# Altium PCB ui_brd_raton_v0.PcbDoc (part 1 of 4) (continued)
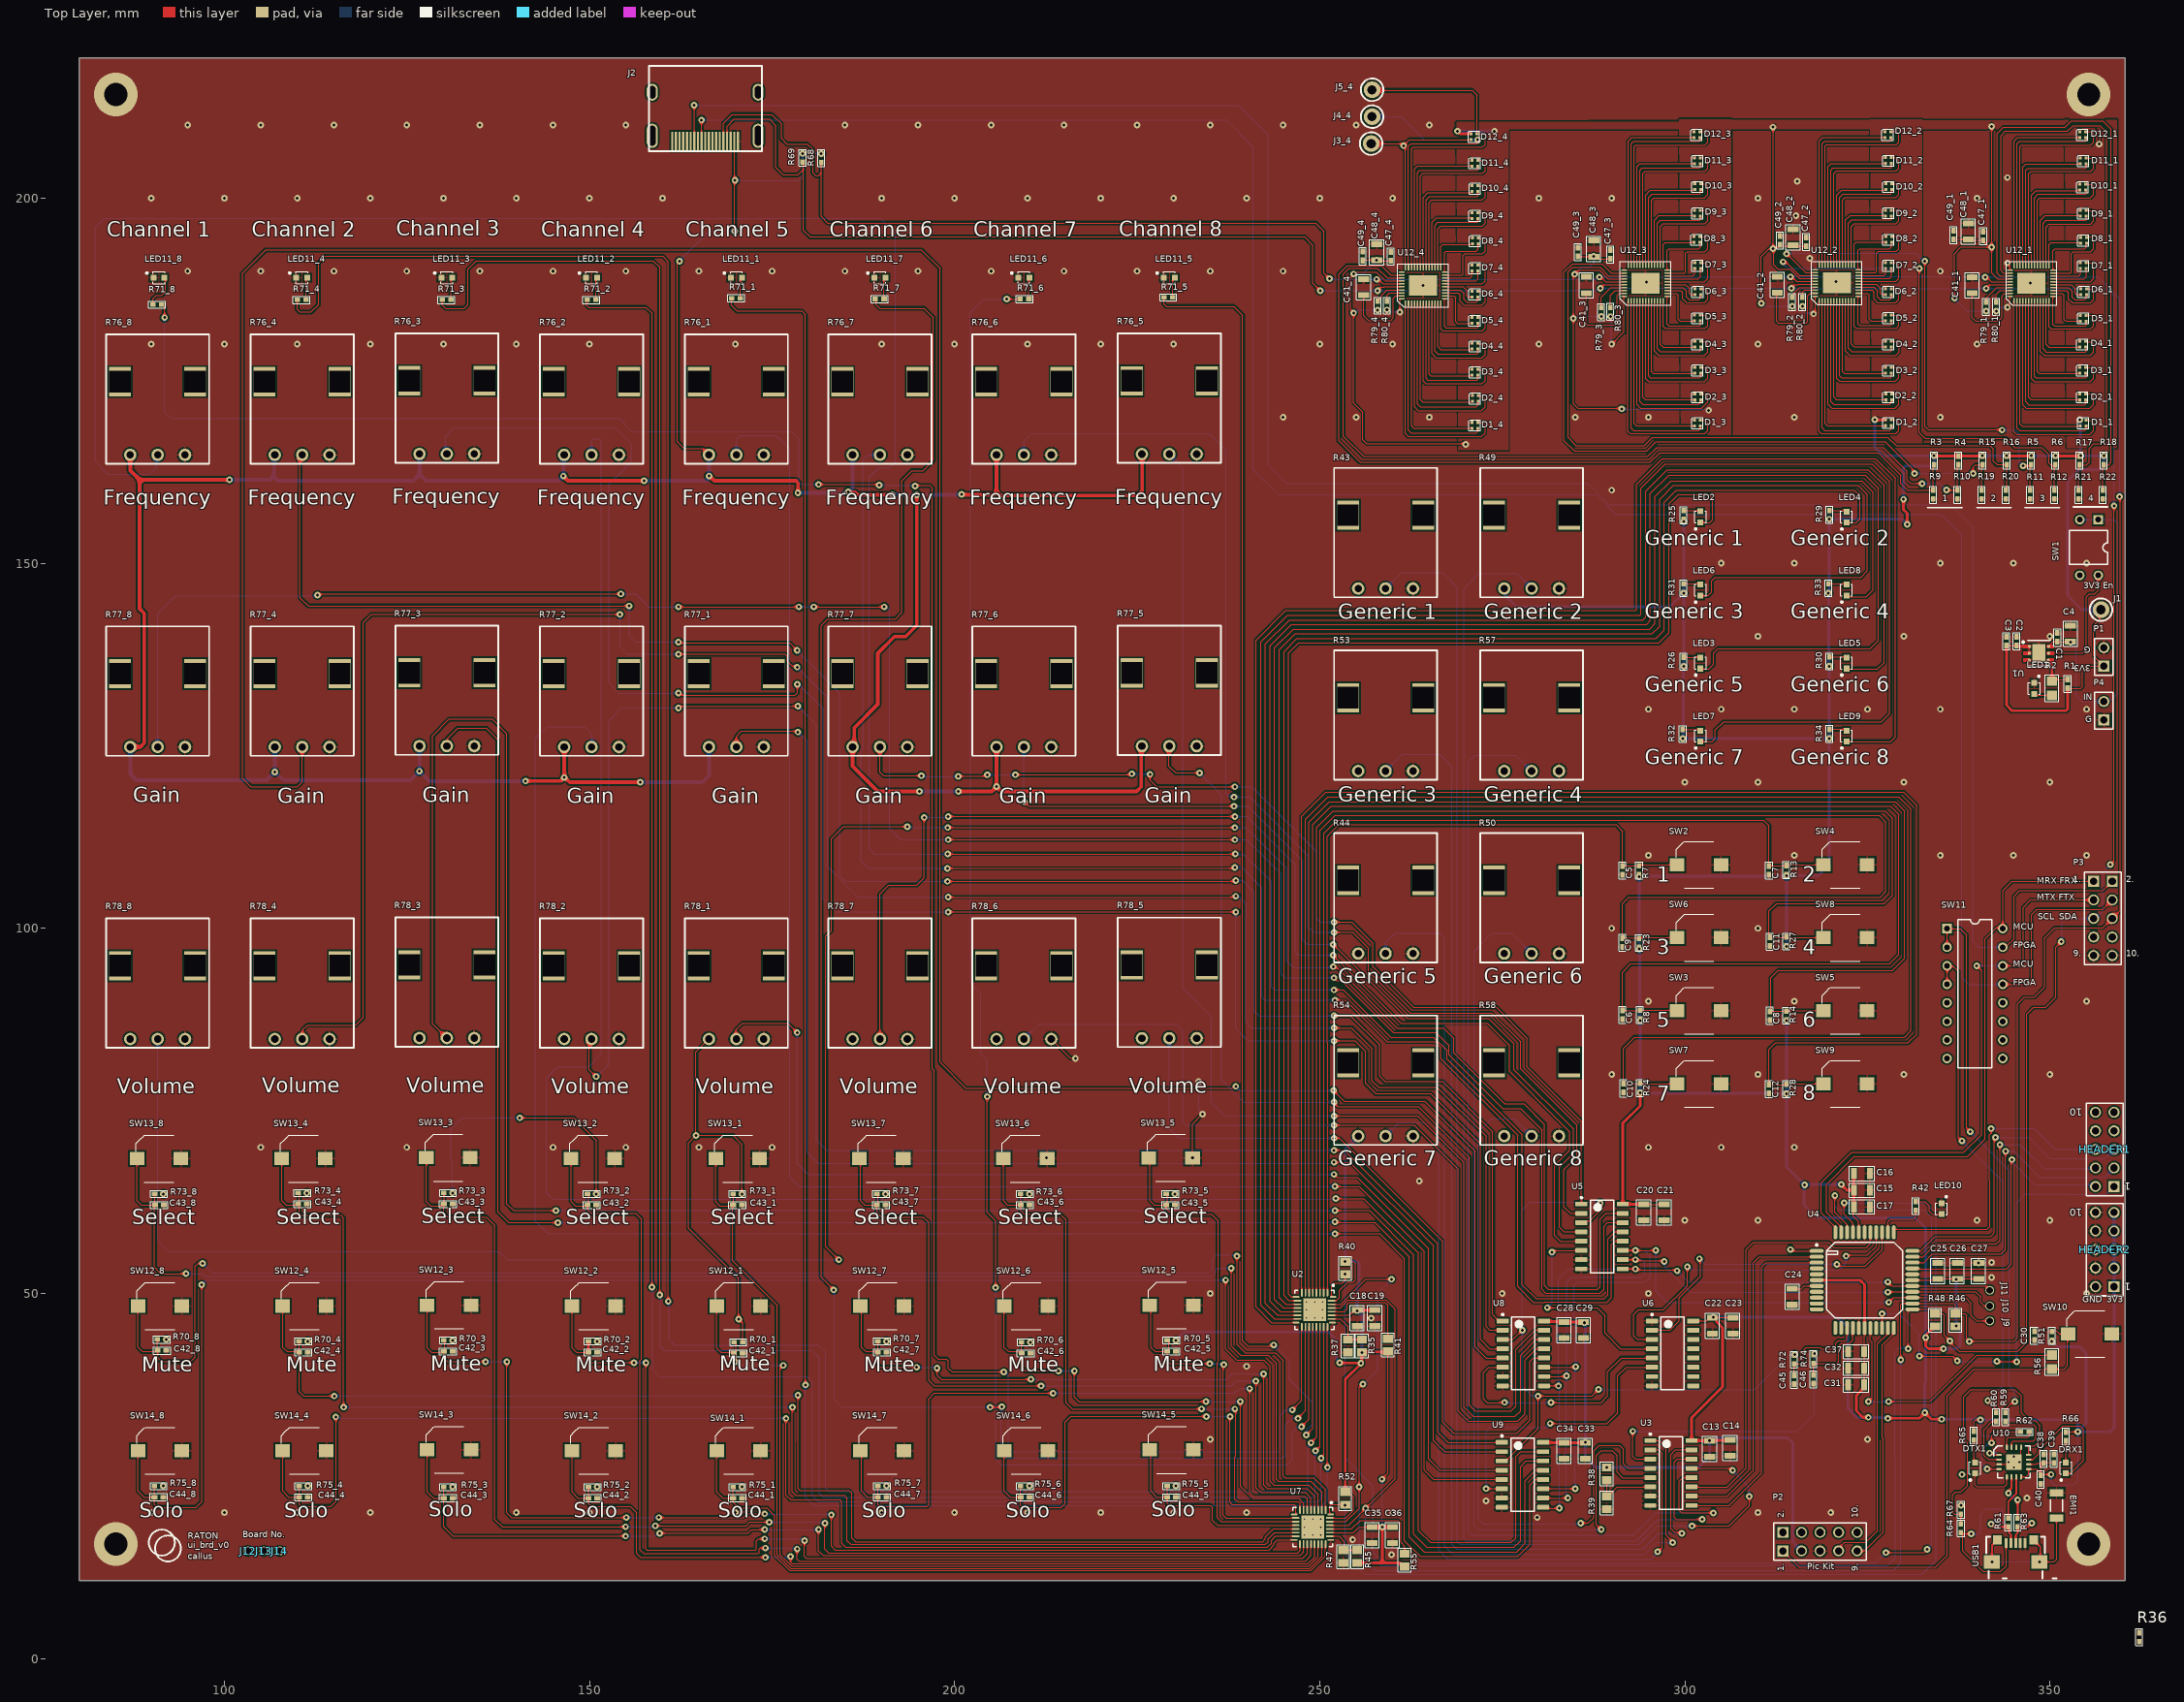
[diagram p0: Top Layer view]
## Components (designator, comment, footprint, x,y, rotation, side; value= is the part's Value field where it differs from the comment) (continued)
D7_3 "IN-B101FCH" SML-LXR0804RGBC-TR 301.752,190.754 r90 top (schematic designator D7)
D7_4 "IN-B101FCH" SML-LXR0804RGBC-TR 271.253,190.41 r90 top (schematic designator D7)
D8_1 "IN-B101FCH" SML-LXR0804RGBC-TR 354.584,194.183 r90 top (schematic designator D8)
D8_2 "IN-B101FCH" SML-LXR0804RGBC-TR 327.914,194.31 r90 top (schematic designator D8)
D8_3 "IN-B101FCH" SML-LXR0804RGBC-TR 301.625,194.31 r90 top (schematic designator D8)
D8_4 "IN-B101FCH" SML-LXR0804RGBC-TR 271.291,194.139 r90 top (schematic designator D8)
D9_1 "IN-B101FCH" SML-LXR0804RGBC-TR 354.565,197.889 r90 top (schematic designator D9)
D9_2 "IN-B101FCH" SML-LXR0804RGBC-TR 327.895,197.927 r90 top (schematic designator D9)
D9_3 "IN-B101FCH" SML-LXR0804RGBC-TR 301.727,197.908 r90 top (schematic designator D9)
D9_4 "IN-B101FCH" SML-LXR0804RGBC-TR 271.253,197.591 r90 top (schematic designator D9)
D10_1 "IN-B101FCH" SML-LXR0804RGBC-TR 354.476,201.505 r90 top (schematic designator D10)
D10_2 "IN-B101FCH" SML-LXR0804RGBC-TR 327.914,201.549 r90 top (schematic designator D10)
D10_3 "IN-B101FCH" SML-LXR0804RGBC-TR 301.752,201.549 r90 top (schematic designator D10)
D10_4 "IN-B101FCH" SML-LXR0804RGBC-TR 271.272,201.295 r90 top (schematic designator D10)
D11_1 "IN-B101FCH" SML-LXR0804RGBC-TR 354.565,205.07 r90 top (schematic designator D11)
D11_2 "IN-B101FCH" SML-LXR0804RGBC-TR 327.895,205.108 r90 top (schematic designator D11)
D11_3 "IN-B101FCH" SML-LXR0804RGBC-TR 301.727,205.089 r90 top (schematic designator D11)
D11_4 "IN-B101FCH" SML-LXR0804RGBC-TR 271.253,204.772 r90 top (schematic designator D11)
D12_1 "IN-B101FCH" SML-LXR0804RGBC-TR 354.457,208.661 r90 top (schematic designator D12)
D12_2 "IN-B101FCH" SML-LXR0804RGBC-TR 327.787,208.661 r90 top (schematic designator D12)
D12_3 "IN-B101FCH" SML-LXR0804RGBC-TR 301.625,208.661 r90 top (schematic designator D12)
D12_4 "IN-B101FCH" SML-LXR0804RGBC-TR 271.145,208.407 r90 top (schematic designator D12)
DRX1 "LED 0603 Green 20mA 1.8V" "0603 Generic" 352.171,26.088 r90 top
DTX1 "LED 0603 Red 20mA 1.7V" "0603 Generic" 339.725,26.088 r90 top
EMI1 "742792115" 1206-L 350.901,20.955 r90 top value=300mA
HEADER1 "GENERIC 10PIN HEADER MALE 2.54" "GENERIC 10Pin Header Male 2.54mm" 358.775,64.643 r90 top
HEADER2 "GENERIC 10PIN HEADER MALE 2.54" "GENERIC 10Pin Header Male 2.54mm" 358.775,50.927 r90 top
J1 "151-203-RC" 151-203-RC-Footprint-1 356.997,143.637 r180 top
J2 "2086581051" 2086581051 165.851,206.483 r180 top
J3_4 "151-203-RC" 151-203-RC-Footprint-1 257.048,207.474 r90 top (schematic designator J3)
J4_4 "151-203-RC" 151-203-RC-Footprint-1 257.175,211.157 r90 top (schematic designator J4)
J5_4 "151-203-RC" 151-203-RC-Footprint-1 257.175,214.84 r90 top (schematic designator J5)
J9 "1PIN Debug" "1 Pin Debug Port 0.9mm" 341.757,46.228 r270 top
J10 "1PIN Debug" "1 Pin Debug Port 0.9mm" 341.757,48.26 r0 top
J11 "1PIN Debug" "1 Pin Debug Port 0.9mm" 341.757,50.419 r270 top
J12 "1PIN Debug" "1 Pin Debug Port 0.9mm" 103.251,14.732 r90 top
J13 "1PIN Debug" "1 Pin Debug Port 0.9mm" 105.41,14.732 r90 top
J14 "1PIN Debug" "1 Pin Debug Port 0.9mm" 107.569,14.732 r90 top
LED1 "LED 0603 Green 20mA 1.8V" "0603 Generic" 347.853,132.854 r270 top
LED2 "LED 0603 Blue 20mA 2.5V" VAOL-S6SB4 302.133,156.337 r90 top
LED3 "LED 0603 Blue 20mA 2.5V" VAOL-S6SB4 302.133,136.325 r90 top
LED4 "LED 0603 Blue 20mA 2.5V" VAOL-S6SB4 322.133,156.325 r90 top
LED5 "LED 0603 Blue 20mA 2.5V" VAOL-S6SB4 322.133,136.325 r90 top
LED6 "LED 0603 Blue 20mA 2.5V" VAOL-S6SB4 302.133,146.325 r90 top
LED7 "LED 0603 Blue 20mA 2.5V" VAOL-S6SB4 302.133,126.325 r90 top
LED8 "LED 0603 Blue 20mA 2.5V" VAOL-S6SB4 322.133,146.325 r90 top
LED9 "LED 0603 Blue 20mA 2.5V" VAOL-S6SB4 322.133,126.325 r90 top
LED10 "LED 0603 Blue 20mA 2.5V" VAOL-S6SB4 335.153,61.595 r270 top
LED11_1 "LED 0603 Blue 20mA 2.5V" VAOL-S6SB4 170.12,189.103 r0 top (schematic designator LED11)
LED11_2 "LED 0603 Blue 20mA 2.5V" VAOL-S6SB4 150.283,189.103 r0 top (schematic designator LED11)
LED11_3 "LED 0603 Blue 20mA 2.5V" VAOL-S6SB4 130.471,189.103 r0 top (schematic designator LED11)
LED11_4 "LED 0603 Blue 20mA 2.5V" VAOL-S6SB4 110.617,189.103 r0 top (schematic designator LED11)
LED11_5 "LED 0603 Blue 20mA 2.5V" VAOL-S6SB4 229.404,189.103 r0 top (schematic designator LED11)
LED11_6 "LED 0603 Blue 20mA 2.5V" VAOL-S6SB4 209.49,189.103 r0 top (schematic designator LED11)
LED11_7 "LED 0603 Blue 20mA 2.5V" VAOL-S6SB4 189.78,189.103 r0 top (schematic designator LED11)
LED11_8 "LED 0603 Blue 20mA 2.5V" VAOL-S6SB4 91.047,189.103 r0 top (schematic designator LED11)
P1 "GENERIC 2PIN HEADER MALE" "GENERIC 2PIN HEADER 0" 357.378,135.89 r180 top
P2 "GENERIC 5x2 PINS HEADER MALE" "GENERIC 5PIN 2ROW HEADER 0" 313.436,14.732 r90 top
P3 "GENERIC 5x2 PINS HEADER MALE" "GENERIC 5PIN 2ROW HEADER 0" 355.981,106.426 r0 top
P4 "GENERIC 2PIN HEADER MALE" "GENERIC 2PIN HEADER 0" 357.378,128.524 r180 top
R1 "RES 10k 0402 63mW 5%" 0402-M#2 352.425,133.477 r270 top value=10k
R2 "RES 100 0805 125mW 1%" 0805-L 350.266,132.883 r90 top value=100
R3 "RES 10k 0402 63mW 5%" 0402-M#2 334.137,164.084 r90 top value=10k
R4 "RES 10k 0402 63mW 5%" 0402-M#2 337.457,164.084 r90 top value=10k
R5 "RES 10k 0402 63mW 5%" 0402-M#2 347.418,164.084 r90 top value=10k
R6 "RES 10k 0402 63mW 5%" 0402-M#2 350.738,164.084 r90 top value=10k
R7 "RES 10k 0402 63mW 5%" 0402-M#2 293.751,107.95 r90 top value=10k
R8 "RES 10k 0402 63mW 5%" 0402-M#2 293.831,88.173 r90 top value=10k
R9 "RES 10k 0402 63mW 5%" 0402-M#2 334.01,159.385 r90 top value=10k
R10 "RES 10k 0402 63mW 5%" 0402-M#2 337.33,159.385 r90 top value=10k
R11 "RES 10k 0402 63mW 5%" 0402-M#2 347.291,159.385 r90 top value=10k
R12 "RES 10k 0402 63mW 5%" 0402-M#2 350.611,159.385 r90 top value=10k
R13 "RES 10k 0402 63mW 5%" 0402-M#2 313.897,107.985 r90 top value=10k
R14 "RES 10k 0402 63mW 5%" 0402-M#2 313.897,88.046 r90 top value=10k
R15 "RES 10k 0402 63mW 5%" 0402-M#2 340.777,164.084 r90 top value=10k
R16 "RES 10k 0402 63mW 5%" 0402-M#2 344.097,164.084 r90 top value=10k
R17 "RES 10k 0402 63mW 5%" 0402-M#2 354.058,164.084 r90 top value=10k
R18 "RES 10k 0402 63mW 5%" 0402-M#2 357.378,164.084 r90 top value=10k
R19 "RES 10k 0402 63mW 5%" 0402-M#2 340.65,159.385 r90 top value=10k
R20 "RES 10k 0402 63mW 5%" 0402-M#2 343.97,159.385 r90 top value=10k
R21 "RES 10k 0402 63mW 5%" 0402-M#2 353.931,159.385 r90 top value=10k
R22 "RES 10k 0402 63mW 5%" 0402-M#2 357.251,159.385 r90 top value=10k
R23 "RES 10k 0402 63mW 5%" 0402-M#2 293.751,98.009 r90 top value=10k
R24 "RES 10k 0402 63mW 5%" 0402-M#2 293.831,78.14 r90 top value=10k
R25 "RES 1k 0402 63mW 1%" 0402-M#2 299.847,156.591 r90 top value=1k
R26 "RES 1k 0402 63mW 1%" 0402-M#2 299.847,136.525 r90 top value=1k
R27 "RES 10k 0402 63mW 5%" 0402-M#2 313.897,98.206 r90 top value=10k
R28 "RES 10k 0402 63mW 5%" 0402-M#2 313.897,78.013 r90 top value=10k
R29 "RES 1k 0402 63mW 1%" 0402-M#2 319.786,156.626 r90 top value=1k
R30 "RES 1k 0402 63mW 1%" 0402-M#2 319.786,136.56 r90 top value=1k
R31 "RES 1k 0402 63mW 1%" 0402-M#2 299.847,146.593 r90 top value=1k
R32 "RES 1k 0402 63mW 1%" 0402-M#2 299.72,126.619 r90 top value=1k
R33 "RES 1k 0402 63mW 1%" 0402-M#2 319.659,146.593 r90 top value=1k
R34 "RES 1k 0402 63mW 1%" 0402-M#2 319.786,126.654 r90 top value=1k
R35 "RES 10k 0805 125mW 1%" 0805-M#2 255.778,42.799 r270 top value=10k
R36 "RES 10k 0402 63mW 5%" 0402-M#2 362.204,2.921 r90 top value=10k
R37 "RES 10k 0805 125mW 1%" 0805-M#2 253.873,42.799 r90 top value=10k
R38 "RES 10k 0805 125mW 1%" 0805-M#2 289.306,25.273 r90 top value=10k
R39 "RES 10k 0805 125mW 1%" 0805-M#2 289.306,21.322 r90 top value=10k
R40 "RES 10k 0805 125mW 1%" 0805-M#2 253.492,53.467 r90 top value=10k
R41 "RES 10k 0805 125mW 1%" 0805-M#2 259.334,42.926 r270 top value=10k
R42 "RES 1k 0402 63mW 1%" 0402-M#2 331.597,61.976 r90 top value=1k
R43 "P120PK-Y25BR10K" P120PK-Y25BR10K-Footprint-1 255.27,146.539 r0 top
R44 "P120PK-Y25BR10K" P120PK-Y25BR10K-Footprint-1 255.27,96.539 r0 top
R45 "RES 10k 0805 125mW 1%" 0805-M#2 255.143,13.956 r270 top value=10k
R46 "RES 10k 0805 125mW 1%" 0805-M#2 337.058,46.355 r270 top value=10k
R47 "RES 10k 0805 125mW 1%" 0805-M#2 253.238,13.956 r90 top value=10k
R48 "RES 10k 0805 125mW 1%" 0805-M#2 334.264,46.355 r270 top value=10k
R49 "P120PK-Y25BR10K" P120PK-Y25BR10K-Footprint-1 275.27,146.539 r0 top
R50 "P120PK-Y25BR10K" P120PK-Y25BR10K-Footprint-1 275.27,96.539 r0 top
R51 "RES 10k 0402 63mW 5%" 0402-M#2 350.266,44.196 r90 top value=10k
R52 "RES 10k 0805 125mW 1%" 0805-M#2 253.492,21.928 r90 top value=10k
R53 "P120PK-Y25BR10K" P120PK-Y25BR10K-Footprint-1 255.27,121.539 r0 top
R54 "P120PK-Y25BR10K" P120PK-Y25BR10K-Footprint-1 255.27,71.539 r0 top
R55 "RES 10k 0805 125mW 1%" 0805-M#2 261.62,13.462 r270 top value=10k
R56 "RES 100 0805 125mW 1%" 0805-L 350.266,40.599 r90 top value=100
R57 "P120PK-Y25BR10K" P120PK-Y25BR10K-Footprint-1 275.27,121.539 r0 top
R58 "P120PK-Y25BR10K" P120PK-Y25BR10K-Footprint-1 275.27,71.539 r0 top
R59 "RES 0 0402 63mW" 0402-M#2 343.916,33.073 r90 top value=0
R60 "RES 0 0402 63mW" 0402-M#2 342.646,33.073 r90 top value=0
R61 "RES 39 0402 63mW 5%" 0402-M#2 344.297,18.63 r90 top value=39
R62 "RES 0 0402 63mW" 0402-M#2 346.548,31.041 r0 top value=0
R63 "RES 39 0402 63mW 5%" 0402-M#2 345.567,18.63 r90 top value=39
R64 "RES 4.75k 0402 100mW 1%" 0402-M#2 337.82,17.833 r270 top value=4.75k
R65 "RES 1k 0402 63mW 1%" 0402-M#2 339.598,30.533 r270 top value=1k
R66 "RES 1k 0402 63mW 1%" 0402-M#2 352.171,30.406 r270 top value=1k
R67 "RES 10k 0402 63mW 5%" 0402-M#2 337.82,20.373 r270 top value=10k
R68 "RES 10k 0402 63mW 5%" 0402-M#2 181.737,205.486 r90 top value=10k
R69 "RES 10k 0402 63mW 5%" 0402-M#2 179.197,205.521 r90 top value=10k
R70_1 "RES 10k 0402 63mW 5%" 0402-M#2 170.399,43.307 r180 top value=10k (schematic designator R70)
R70_2 "RES 10k 0402 63mW 5%" 0402-M#2 150.46,43.434 r180 top value=10k (schematic designator R70)
R70_3 "RES 10k 0402 63mW 5%" 0402-M#2 130.648,43.561 r180 top value=10k (schematic designator R70)
R70_4 "RES 10k 0402 63mW 5%" 0402-M#2 110.836,43.434 r180 top value=10k (schematic designator R70)
R70_5 "RES 10k 0402 63mW 5%" 0402-M#2 229.708,43.561 r180 top value=10k (schematic designator R70)
R70_6 "RES 10k 0402 63mW 5%" 0402-M#2 209.769,43.307 r180 top value=10k (schematic designator R70)
R70_7 "RES 10k 0402 63mW 5%" 0402-M#2 190.084,43.434 r180 top value=10k (schematic designator R70)
R70_8 "RES 10k 0402 63mW 5%" 0402-M#2 91.44,43.688 r180 top value=10k (schematic designator R70)
R71_1 "RES 1k 0402 63mW 1%" 0402-M#2 170.088,186.309 r0 top value=1k (schematic designator R71)
R71_2 "RES 1k 0402 63mW 1%" 0402-M#2 150.276,186.055 r0 top value=1k (schematic designator R71)
R71_3 "RES 1k 0402 63mW 1%" 0402-M#2 130.429,186.055 r0 top value=1k (schematic designator R71)
R71_4 "RES 1k 0402 63mW 1%" 0402-M#2 110.582,186.055 r0 top value=1k (schematic designator R71)
R71_5 "RES 1k 0402 63mW 1%" 0402-M#2 229.27,186.436 r0 top value=1k (schematic designator R71)
R71_6 "RES 1k 0402 63mW 1%" 0402-M#2 209.585,186.182 r0 top value=1k (schematic designator R71)
R71_7 "RES 1k 0402 63mW 1%" 0402-M#2 189.738,186.182 r0 top value=1k (schematic designator R71)
R71_8 "RES 1k 0402 63mW 1%" 0402-M#2 90.805,185.42 r180 top value=1k (schematic designator R71)
R72 "RES 10k 0402 63mW 5%" 0402-M#2 314.96,40.929 r90 top value=10k
R73_1 "RES 10k 0402 63mW 5%" 0402-M#2 170.272,63.627 r180 top value=10k (schematic designator R73)
R73_2 "RES 10k 0402 63mW 5%" 0402-M#2 150.333,63.627 r180 top value=10k (schematic designator R73)
R73_3 "RES 10k 0402 63mW 5%" 0402-M#2 130.648,63.754 r180 top value=10k (schematic designator R73)
R73_4 "RES 10k 0402 63mW 5%" 0402-M#2 110.709,63.754 r180 top value=10k (schematic designator R73)
R73_5 "RES 10k 0402 63mW 5%" 0402-M#2 229.581,63.627 r180 top value=10k (schematic designator R73)
R73_6 "RES 10k 0402 63mW 5%" 0402-M#2 209.642,63.627 r180 top value=10k (schematic designator R73)
R73_7 "RES 10k 0402 63mW 5%" 0402-M#2 189.957,63.627 r180 top value=10k (schematic designator R73)
R73_8 "RES 10k 0402 63mW 5%" 0402-M#2 91.059,63.627 r180 top value=10k (schematic designator R73)
R74 "RES 10k 0402 63mW 5%" 0402-M#2 317.627,41.021 r90 top value=10k
R75_1 "RES 10k 0402 63mW 5%" 0402-M#2 170.272,23.495 r180 top value=10k (schematic designator R75)
R75_2 "RES 10k 0402 63mW 5%" 0402-M#2 150.46,23.495 r180 top value=10k (schematic designator R75)
R75_3 "RES 10k 0402 63mW 5%" 0402-M#2 130.648,23.495 r180 top value=10k (schematic designator R75)
R75_4 "RES 10k 0402 63mW 5%" 0402-M#2 110.836,23.622 r180 top value=10k (schematic designator R75)
R75_5 "RES 10k 0402 63mW 5%" 0402-M#2 229.708,23.622 r180 top value=10k (schematic designator R75)
R75_6 "RES 10k 0402 63mW 5%" 0402-M#2 209.642,23.622 r180 top value=10k (schematic designator R75)
R75_7 "RES 10k 0402 63mW 5%" 0402-M#2 190.084,23.622 r180 top value=10k (schematic designator R75)
R75_8 "RES 10k 0402 63mW 5%" 0402-M#2 91.024,23.627 r180 top value=10k (schematic designator R75)
R76_1 "P120PK-Y25BR10K" P120PK-Y25BR10K-Footprint-1 166.37,164.836 r0 top (schematic designator R76)
R76_2 "P120PK-Y25BR10K" P120PK-Y25BR10K-Footprint-1 146.533,164.836 r0 top (schematic designator R76)
R76_3 "P120PK-Y25BR10K" P120PK-Y25BR10K-Footprint-1 126.721,164.963 r0 top (schematic designator R76)
R76_4 "P120PK-Y25BR10K" P120PK-Y25BR10K-Footprint-1 106.909,164.836 r0 top (schematic designator R76)
R76_5 "P120PK-Y25BR10K" P120PK-Y25BR10K-Footprint-1 225.654,164.945 r0 top (schematic designator R76)
R76_6 "P120PK-Y25BR10K" P120PK-Y25BR10K-Footprint-1 205.74,164.836 r0 top (schematic designator R76)
R76_7 "P120PK-Y25BR10K" P120PK-Y25BR10K-Footprint-1 186.03,164.836 r0 top (schematic designator R76)
R76_8 "P120PK-Y25BR10K" P120PK-Y25BR10K-Footprint-1 87.122,164.836 r0 top (schematic designator R76)
R77_1 "P120PK-Y25BR10K" P120PK-Y25BR10K-Footprint-1 166.37,124.836 r0 top (schematic designator R77)
R77_2 "P120PK-Y25BR10K" P120PK-Y25BR10K-Footprint-1 146.533,124.836 r0 top (schematic designator R77)
R77_3 "P120PK-Y25BR10K" P120PK-Y25BR10K-Footprint-1 126.721,124.963 r0 top (schematic designator R77)
R77_4 "P120PK-Y25BR10K" P120PK-Y25BR10K-Footprint-1 106.909,124.836 r0 top (schematic designator R77)
R77_5 "P120PK-Y25BR10K" P120PK-Y25BR10K-Footprint-1 225.654,124.945 r0 top (schematic designator R77)
R77_6 "P120PK-Y25BR10K" P120PK-Y25BR10K-Footprint-1 205.74,124.836 r0 top (schematic designator R77)
R77_7 "P120PK-Y25BR10K" P120PK-Y25BR10K-Footprint-1 186.03,124.836 r0 top (schematic designator R77)
R77_8 "P120PK-Y25BR10K" P120PK-Y25BR10K-Footprint-1 87.122,124.836 r0 top (schematic designator R77)
R78_1 "P120PK-Y25BR10K" P120PK-Y25BR10K-Footprint-1 166.37,84.836 r0 top (schematic designator R78)
R78_2 "P120PK-Y25BR10K" P120PK-Y25BR10K-Footprint-1 146.533,84.836 r0 top (schematic designator R78)
R78_3 "P120PK-Y25BR10K" P120PK-Y25BR10K-Footprint-1 126.721,84.963 r0 top (schematic designator R78)
R78_4 "P120PK-Y25BR10K" P120PK-Y25BR10K-Footprint-1 106.909,84.836 r0 top (schematic designator R78)
R78_5 "P120PK-Y25BR10K" P120PK-Y25BR10K-Footprint-1 225.654,84.945 r0 top (schematic designator R78)
R78_6 "P120PK-Y25BR10K" P120PK-Y25BR10K-Footprint-1 205.74,84.836 r0 top (schematic designator R78)
R78_7 "P120PK-Y25BR10K" P120PK-Y25BR10K-Footprint-1 186.03,84.836 r0 top (schematic designator R78)
R78_8 "P120PK-Y25BR10K" P120PK-Y25BR10K-Footprint-1 87.122,84.836 r0 top (schematic designator R78)
R79_1 "RES 10k 0402 63mW 5%" 0402-M#2 341.249,185.131 r90 top value=10k (schematic designator R79)
R79_2 "RES 10k 0402 63mW 5%" 0402-M#2 314.706,185.801 r90 top value=10k (schematic designator R79)
R79_3 "RES 10k 0402 63mW 5%" 0402-M#2 288.544,184.404 r90 top value=10k (schematic designator R79)
R79_4 "RES 10k 0402 63mW 5%" 0402-M#2 257.937,185.293 r90 top value=10k (schematic designator R79)
R80_1 "RES 10k 0402 63mW 5%" 0402-M#2 342.646,185.131 r90 top value=10k (schematic designator R80)
R80_2 "RES 10k 0402 63mW 5%" 0402-M#2 316.103,185.801 r90 top value=10k (schematic designator R80)
R80_3 "RES 10k 0402 63mW 5%" 0402-M#2 289.814,184.439 r90 top value=10k (schematic designator R80)
R80_4 "RES 10k 0402 63mW 5%" 0402-M#2 259.207,185.293 r90 top value=10k (schematic designator R80)
SW1 "210-2MS" 210-2MS-Footprint-1 356.616,155.956 r270 top
SW2 "TL9210AF180Q" TL9210 301.958,108.712 r0 top
SW3 "TL9210AF180Q" TL9210 301.958,88.712 r0 top
SW4 "TL9210AF180Q" TL9210 321.958,108.712 r0 top
SW5 "TL9210AF180Q" TL9210 321.958,88.712 r0 top
SW6 "TL9210AF180Q" TL9210 301.958,98.712 r0 top
SW7 "TL9210AF180Q" TL9210 301.958,78.712 r0 top
SW8 "TL9210AF180Q" TL9210 321.958,98.712 r0 top
SW9 "TL9210AF180Q" TL9210 321.958,78.712 r0 top
SW10 "TL9210AF180Q" TL9210 355.473,44.45 r0 top
SW11 "210-8MS" 210-8MS 335.915,99.949 r0 top
SW12_1 "TL9210AF180Q" TL9210 170.434,48.26 r0 top (schematic designator SW12)
SW12_2 "TL9210AF180Q" TL9210 150.597,48.26 r0 top (schematic designator SW12)
SW12_3 "TL9210AF180Q" TL9210 130.785,48.387 r0 top (schematic designator SW12)
SW12_4 "TL9210AF180Q" TL9210 110.973,48.26 r0 top (schematic designator SW12)
SW12_5 "TL9210AF180Q" TL9210 229.718,48.369 r0 top (schematic designator SW12)
SW12_6 "TL9210AF180Q" TL9210 209.804,48.26 r0 top (schematic designator SW12)
SW12_7 "TL9210AF180Q" TL9210 190.094,48.26 r0 top (schematic designator SW12)
SW12_8 "TL9210AF180Q" TL9210 91.186,48.26 r0 top (schematic designator SW12)
SW13_1 "TL9210AF180Q" TL9210 170.307,68.453 r0 top (schematic designator SW13)
SW13_2 "TL9210AF180Q" TL9210 150.47,68.453 r0 top (schematic designator SW13)
SW13_3 "TL9210AF180Q" TL9210 130.658,68.58 r0 top (schematic designator SW13)
SW13_4 "TL9210AF180Q" TL9210 110.846,68.453 r0 top (schematic designator SW13)
SW13_5 "TL9210AF180Q" TL9210 229.591,68.562 r0 top (schematic designator SW13)
SW13_6 "TL9210AF180Q" TL9210 209.677,68.453 r0 top (schematic designator SW13)
SW13_7 "TL9210AF180Q" TL9210 189.967,68.453 r0 top (schematic designator SW13)
SW13_8 "TL9210AF180Q" TL9210 91.059,68.453 r0 top (schematic designator SW13)
SW14_1 "TL9210AF180Q" TL9210 170.434,28.448 r0 top (schematic designator SW14)
SW14_2 "TL9210AF180Q" TL9210 150.597,28.448 r0 top (schematic designator SW14)
SW14_3 "TL9210AF180Q" TL9210 130.785,28.575 r0 top (schematic designator SW14)
SW14_4 "TL9210AF180Q" TL9210 110.973,28.448 r0 top (schematic designator SW14)
SW14_5 "TL9210AF180Q" TL9210 229.718,28.557 r0 top (schematic designator SW14)
SW14_6 "TL9210AF180Q" TL9210 209.804,28.448 r0 top (schematic designator SW14)
SW14_7 "TL9210AF180Q" TL9210 190.094,28.448 r0 top (schematic designator SW14)
SW14_8 "TL9210AF180Q" TL9210 91.186,28.448 r0 top (schematic designator SW14)
U1 "LD39200PU33R" FP-DFN6-7946637-MFG 348.488,137.668 r0 top
U2 "TCA6424ARGJR" TCA6424ARGJR#1 249.301,47.752 r270 top
U3 "CD4051BM" D0016A_M 298.1,25.4 r0 top
U4 "PIC24FJ128GA204-I/PT" CQFP80P1415X1415X120-44N 324.612,51.816 r0 top
U5 "CD4051BM" D0016A_M 288.671,57.785 r0 top
U6 "CD4556BM96" D0016A_M 298.323,41.783 r0 top
U7 "TCA6424ARGJR" TCA6424ARGJR#2 249.047,17.991 r270 top
U8 "CD4051BM" D0016A_M 277.876,41.783 r0 top
U9 "CD4051BM" D0016A_M 277.78,25.146 r0 top
U10 "FT230XQ-R" "QFN-16_N - 0.3mm Vias" 345.066,26.906 r0 top
U11 "TPD4E001DBVR" DBV6_N 344.678,19.558 r180 bottom
U12_1 "LP5036RJVR" "New footprint 1" 347.472,188.341 r90 top (schematic designator U12)
U12_2 "LP5036RJVR" "New footprint 1" 320.802,188.379 r90 top (schematic designator U12)
U12_3 "LP5036RJVR" "New footprint 1" 294.634,188.36 r90 top (schematic designator U12)
U12_4 "LP5036RJVR" "New footprint 1" 264.16,188.043 r90 top (schematic designator U12)
USB1 "DX4R005HJ5R2000" DX4R005HJ5R2000 345.298,11.676 r0 top

## Footprints (in the part's own frame and the unit in brackets; to place one, negate y for a bottom-side part, rotate by r counter-clockwise, add the part's x,y. Pads: shape width x height; smd on the part's side, far side on the other; paste and mask are expansions set on the pad)
"1 Pin Debug Port 0.9mm" [mm] "Male Header, Pitch 2.54mm, 1x1 Position, Mated Height 6mm, Tail Length 3mm"
  round 1.2 hole 0.9: 1(0,0)
151-203-RC-Footprint-1 [mil]
  round 90 hole 50 mask+10: 1(0,0)
  silkscreen extent -61,-61 61,61, body extent -45,-45 45,45, height 197
210-2MS-Footprint-1 [mm]
  rect 1.3x1.3 hole 0.8: 1(0,0)
  round 1.3 hole 0.8: 2(0,-2.54) 3(7.62,-2.54) 4(7.62,0)
  silkscreen extent 1.48,-3.94 6.14,1.27, body extent -0.47,-4.57 8.09,1.99, height 4.97
210-8MS [mm]
  rect 1.3x1.3 hole 0.8: 1(0,0)
  round 1.3 hole 0.8: 2(0,-2.54) 3(0,-5.08) 4(0,-7.62) 5(0,-10.16) 6(0,-12.7) 7(0,-15.24) 8(0,-17.78) 9(7.62,-17.78) 10(7.62,-15.24) 11(7.62,-12.7) 12(7.62,-10.16) 13(7.62,-7.62) 14(7.62,-5.08) 15(7.62,-2.54) 16(7.62,0)
  silkscreen extent 1.48,-19.05 6.14,1.27, body extent -0.51,-19.92 8.04,1.88, height 5.52
0402-M#1 [mm] "Chip Capacitor, 2-Leads, Body 1.0x0.5mm, IPC Medium Density"
  rect 0.8x0.6 smd: 1(-0.6,0) 2(0.6,0)
  silkscreen extent -1.17,-0.48 1.17,0.47, body extent -0.5,-0.25 0.5,0.25, height 0.5
0402-M#2 [mm] "Chip Resistor, 2-Leads, Body 1.00x0.50mm, IPC Medium Density"
  rect 0.75x0.6 smd: 1(-0.6,0) 2(0.6,0)
  silkscreen extent -1.15,-0.48 1.15,0.48, body extent -0.52,-0.28 0.53,0.27, height 0.36
"0603 Generic" [mm]
  rect 0.8x0.8 smd: 1(-0.75,0) 2(0.75,0)
  silkscreen extent -1.77,-0.81 0.82,0.8, body extent -1.25,-0.5 1.25,0.5, height 0.6
0805-L [mm] "Chip Resistor, 2-Leads, Body 2.0x1.3mm, IPC Low Density"
  rect 1.3x1.45 smd: 1(-0.975,0) 2(0.975,0)
  silkscreen extent -1.83,-0.9 1.83,0.9, body extent -1.07,-0.67 1.07,0.67, height 0.42
0805-M#1 [mm] "Chip Capacitor, 2-Leads, Body 2.0x1.3mm, IPC Medium Density"
  rect 0.8x1.5 smd: 1(-1.1,0) 2(1.1,0)
  silkscreen extent -1.73,-0.97 1.73,0.98, body extent -1,-0.62 1,0.63, height 0.78
0805-M#2 [mm] "Chip Resistor, 2-Leads, Body 2.0x1.3mm, IPC Medium Density"
  rect 1.1x1.35 smd: 1(-0.875,0) 2(0.875,0)
  silkscreen extent -1.63,-0.87 1.63,0.87, body extent -1.07,-0.67 1.07,0.67, height 0.42
1206-L [mm] "Inductor 1206 Large"
  rect 1.05x1.9 smd: 1(-1.725,0) 2(1.725,0)
  silkscreen extent -0.8,-0.85 0.8,0.85, body extent -1.7,-0.9 1.7,0.9, height 0.7
2086581051 [mm]
  rect 0.3x2.6 smd mask+0.05: 1(4.5,-1.3) 2(4,-1.3) 3(3.5,-1.3) 4(3,-1.3) 5(2.5,-1.3) 6(2,-1.3) 7(1.5,-1.3) 8(1,-1.3) 9(0.5,-1.3) 10(0,-1.3) 11(-0.5,-1.3) 12(-1,-1.3) 13(-1.5,-1.3) 14(-2,-1.3) 15(-2.5,-1.3) 16(-3,-1.3) 17(-3.5,-1.3) 18(-4,-1.3) 19(-4.5,-1.3)
  oval 1.5x3.3 hole 0.9 slot 2.7 at 90 deg: ""(-7.25,-2.06) ""(7.25,-2.06)
  oval 1.5x2.3 hole 0.9 slot 1.7 at 90 deg: ""(-7.25,-8.02) ""(7.25,-8.02)
  silkscreen extent -7.77,-11.6 7.72,0.05, body extent -7.5,-12.7 7.5,-0.55, height 6.21
CQFP80P1415X1415X120-44N [mm] "CQFP, 44-Leads, Body 14.15x14.15mm, Pitch 0.80mm, IPC Medium Density"
  oval 1.9x0.55 smd: 1(-6.55,4) 2(-6.55,3.2) 3(-6.55,2.4) 4(-6.55,1.6) 5(-6.55,0.8) 6(-6.55,0) 7(-6.55,-0.8) 8(-6.55,-1.6) 9(-6.55,-2.4) 10(-6.55,-3.2) 11(-6.55,-4) 23(6.55,-4) 24(6.55,-3.2) 25(6.55,-2.4) 26(6.55,-1.6) 27(6.55,-0.8) 28(6.55,0) 29(6.55,0.8) 30(6.55,1.6) 31(6.55,2.4) 32(6.55,3.2) 33(6.55,4)
  oval 0.55x1.9 smd: 12(-4,-6.55) 13(-3.2,-6.55) 14(-2.4,-6.55) 15(-1.6,-6.55) 16(-0.8,-6.55) 17(0,-6.55) 18(0.8,-6.55) 19(1.6,-6.55) 20(2.4,-6.55) 21(3.2,-6.55) 22(4,-6.55) 34(4,6.55) 35(3.2,6.55) 36(2.4,6.55) 37(1.6,6.55) 38(0.8,6.55) 39(0,6.55) 40(-0.8,6.55) 41(-1.6,6.55) 42(-2.4,6.55) 43(-3.2,6.55) 44(-4,6.55)
  silkscreen extent -6.67,-5.2 5.2,5.2, body extent -7.07,-7.07 7.07,7.07, height 1.1
D0016A_M [mm] "SOIC, 16-Leads, Body 10x4mm, Pitch 1.27mm, IPC Low Density"
  rrect15% 1.65x0.65 smd: 1(-2.825,4.445) 2(-2.825,3.175) 3(-2.825,1.905) 4(-2.825,0.635) 5(-2.825,-0.635) 6(-2.825,-1.905) 7(-2.825,-3.175) 8(-2.825,-4.445) 9(2.825,-4.445) 10(2.825,-3.175) 11(2.825,-1.905) 12(2.825,-0.635) 13(2.825,0.635) 14(2.825,1.905) 15(2.825,3.175) 16(2.825,4.445)
  silkscreen extent -2.95,-5 1.6,5.44, body extent -3,-4.95 3,4.95, height 1.59
DBV6_N [mm] "SOT23, 6-Leads, Body 2.9x1.6mm, Pitch 0.95mm, Lead Span 2.8mm, IPC Medium Density"
  rect 1.1x0.65 smd: 1(-1.2,0.95) 2(-1.2,0) 3(-1.2,-0.95) 4(1.2,-0.95) 5(1.2,0) 6(1.2,0.95)
  silkscreen extent -2.03,-1.55 2.03,1.55, body extent -1.44,-1.45 1.4,1.45, height 1.2
DX4R005HJ5R2000 [mm] "USb Micro b Connector"
  rect 0.4x1.35 smd: 1(-1.3,4.125) 2(-0.65,4.125) 3(0,4.125) 4(0.65,4.125) 5(1.3,4.125)
  rect 2.15x1.9 smd: 6(-3.25,1.55) 6(3.25,1.55)
  rect 1.2x1.3 smd: 6(-2.5,4.55) 6(2.5,4.55)
  silkscreen extent -4,2.75 4,5, body extent -3.71,-0.75 3.71,4.74, height 2.69
FP-DFN6-7946637-MFG [mm]
  round 0.405 smd paste+0 mask+0: 1(-1.3,0.95) 2(-1.321,0) 3(-1.321,-0.95) 4(1.3,-0.95) 5(1.321,0) 6(1.321,0.95)
  rect 1.75x2.5 smd paste+0 mask+0: 7(0,0)
  Top Layer region: 2.032,0.725 1.275,0.725 1.189,0.742 1.116,0.791 1.067,0.864 1.05,0.95 1.05,0.95 1.067,1.036 1.116,1.109 1.189,1.158 1.275,1.175 1.275,1.175 2.032,1.175
  Top Layer region: 2.032,-0.225 1.275,-0.225 1.189,-0.208 1.116,-0.159 1.067,-0.086 1.05,0 1.05,0 1.067,0.086 1.116,0.159 1.189,0.208 1.275,0.225 1.275,0.225 2.032,0.225
  Top Layer region: 2.032,-1.175 1.275,-1.175 1.163,-1.145 1.08,-1.062 1.05,-0.95 1.05,-0.95 1.067,-0.864 1.116,-0.791 1.189,-0.742 1.275,-0.725 1.275,-0.725 2.032,-0.725
  Top Layer region: -2.159,-0.725 -1.275,-0.725 -1.189,-0.742 -1.116,-0.791 -1.067,-0.864 -1.05,-0.95 -1.05,-0.95 -1.067,-1.036 -1.116,-1.109 -1.189,-1.158 -1.275,-1.175 -1.275,-1.175 -2.159,-1.175
  Top Layer region: -2.159,0.225 -1.275,0.225 -1.189,0.208 -1.116,0.159 -1.067,0.086 -1.05,0 -1.05,0 -1.067,-0.086 -1.116,-0.159 -1.189,-0.208 -1.275,-0.225 -1.275,-0.225 -2.159,-0.225
  Top Layer region: -2.159,1.175 -1.275,1.175 -1.163,1.145 -1.08,1.062 -1.05,0.95 -1.05,0.95 -1.067,0.864 -1.116,0.791 -1.189,0.742 -1.275,0.725 -1.275,0.725 -2.159,0.725
  silkscreen extent -2.28,-1.75 1.55,1.75, body extent -1.65,-1.65 1.65,1.65, height 0.25
"GENERIC 2PIN HEADER 0" [mm] "Male Header, Pitch 2.54mm, 2x1 Position, Mated Height 6mm, Tail Length 3mm"
  rect 1.5x1.5 hole 1.02: 1(0,0)
  round 1.5 hole 1.02: 2(0,-2.54)
  silkscreen extent -1.27,-3.81 1.27,1.27, body extent -1.27,-3.81 1.27,1.27, height 8.4
"GENERIC 5PIN 2ROW HEADER 0" [mm] "Male Header, Pitch 2.54mm, 5x2 Position, Mated Height 6mm, Tail Length 3mm"
  rect 1.5x1.5 hole 1.02: 1(0,0) 2(2.54,0)
  round 1.5 hole 1.02: 3(0,-2.54) 4(2.54,-2.54) 5(0,-5.08) 6(2.54,-5.08) 7(0,-7.62) 8(2.54,-7.62) 9(0,-10.16) 10(2.54,-10.16)
  silkscreen extent -1.27,-11.43 3.81,1.27, body extent -1.27,-11.43 3.81,1.27, height 9.5
"GENERIC 10Pin Header Male 2.54mm" [mm] "Male Header, Pitch 2.54mm, 2x5 Position, Mated Height 6mm, Tail Length 3mm"
  rect 1.5x1.5 hole 1.02: 1(0,0)
  round 1.5 hole 1.02: 2(0,2.54) 3(2.54,0) 4(2.54,2.54) 5(5.08,0) 6(5.08,2.54) 7(7.62,0) 8(7.62,2.54) 9(10.16,0) 10(10.16,2.54)
  silkscreen extent -1.27,-1.27 11.4,3.81, body extent -1.07,-1.17 11.23,3.71, height 8.14
"New footprint 1" [mm]
  rect 0.8x0.2 smd: 1(-2.45,2.4) 2(-2.45,2) 3(-2.45,1.6) 4(-2.45,1.2) 5(-2.45,0.8) 6(-2.45,0.4) 7(-2.45,0) 8(-2.45,-0.4) 9(-2.45,-0.8) 10(-2.45,-1.2) 11(-2.45,-1.6) 12(-2.45,-2) 13(-2.45,-2.4) 24(2.45,-2.4) 25(2.45,-2) 26(2.45,-1.6) 27(2.45,-1.2) 28(2.45,-0.8) 29(2.45,-0.4) 30(2.45,0) 31(2.45,0.4) 32(2.45,0.8) 33(2.45,1.2) 34(2.45,1.6) 35(2.45,2) 36(2.45,2.4)
  rect 0.2x0.8 smd: 14(-1.8,-2.95) 15(-1.4,-2.95) 16(-1,-2.95) 17(-0.6,-2.95) 18(-0.2,-2.95) 19(0.2,-2.95) 20(0.6,-2.95) 21(1,-2.95) 22(1.4,-2.95) 23(1.8,-2.95) 37(1.8,2.95) 38(1.4,2.95) 39(1,2.95) 40(0.6,2.95) 41(0.2,2.95) 42(-0.2,2.95) 43(-0.6,2.95) 44(-1,2.95) 45(-1.4,2.95) 46(-1.8,2.95)
  rect 2.85x3.85 smd: 47(0,0)
  silkscreen extent -2.97,-3.47 2.98,3.48, body extent -2.55,-3.05 2.55,3.05, height 1
P120PK-Y25BR10K-Footprint-1 [mm]
  round 1.7 hole 1.02: 1(0,0) 2(3.75,0) 3(7.5,0)
  rect 3x4 / inner rect 1.524x1.524 / far side rect 1.524x1.524 hole 2.9 square: 4(-1.397,10.033) 4(8.897,10.033)
  silkscreen extent -3.3,-1.2 10.8,16.51, body extent -2.67,-0.27 10.18,16.28, height 20.3
"QFN-16_N - 0.3mm Vias" [mm] "QFN, 16-Leads, Body 4x4mm, Pitch 0.65mm, Thermal Pad 2.1x2.1mm, IPC Medium Density"
  oval 0.75x0.3 smd: 1(-2.025,0.975) 2(-2.025,0.325) 3(-2.025,-0.325) 4(-2.025,-0.975) 9(2.025,-0.975) 10(2.025,-0.325) 11(2.025,0.325) 12(2.025,0.975)
  oval 0.3x0.75 smd: 5(-0.975,-2.025) 6(-0.325,-2.025) 7(0.325,-2.025) 8(0.975,-2.025) 13(0.975,2.025) 14(0.325,2.025) 15(-0.325,2.025) 16(-0.975,2.025)
  rect 2.1x2.1 smd paste-1.05: 17(0,0)
  silkscreen extent -2.78,-2.2 2.2,2.2, body extent -2,-2 2,2, height 0.92
SML-LXR0804RGBC-TR [mm] "RGB LED SML footprint"
  rect 0.4x0.4 smd: 1(0.425,0.4) 2(0.425,-0.4) 3(-0.375,-0.4) 4(-0.375,0.4)
  silkscreen extent -0.72,-0.75 0.76,0.8, body extent -0.47,-0.5 0.53,0.5, height 0.85
TCA6424ARGJR#1 [mm]
  oval 1.05x0.25 smd: 1(-2.325,1.75) 2(-2.325,1.25) 3(-2.325,0.75) 4(-2.325,0.25) 5(-2.325,-0.25) 6(-2.325,-0.75) 7(-2.325,-1.25) 8(-2.325,-1.75) 17(2.325,-1.75) 18(2.325,-1.25) 19(2.325,-0.75) 20(2.325,-0.25) 21(2.325,0.25) 22(2.325,0.75) 23(2.325,1.25) 24(2.325,1.75)
  oval 0.25x0.9 smd: 9(-1.75,-2.525) 16(1.75,-2.525) 25(1.75,2.455) 32(-1.75,2.525)
  oval 0.25x1.05 smd: 10(-1.25,-2.325) 11(-0.75,-2.325) 12(-0.25,-2.325) 13(0.25,-2.325) 14(0.75,-2.325) 15(1.25,-2.325) 26(1.25,2.325) 27(0.75,2.325) 28(0.25,2.325) 29(-0.25,2.325) 30(-0.75,2.325) 31(-1.25,2.325)
  rect 3.15x3.15 smd: 33(0,0)
  silkscreen extent -3.47,-2.7 2.7,2.7, body extent -2.6,-2.6 2.6,2.6, height 0.6
TCA6424ARGJR#2 [mm]
  oval 1.05x0.25 smd: 1(-2.325,1.75) 2(-2.325,1.25) 3(-2.325,0.75) 4(-2.325,0.25) 5(-2.325,-0.25) 6(-2.325,-0.75) 7(-2.325,-1.25) 8(-2.325,-1.75) 17(2.325,-1.75) 18(2.325,-1.25) 19(2.325,-0.75) 20(2.325,-0.25) 21(2.325,0.25) 22(2.325,0.75) 23(2.325,1.25) 24(2.325,1.75)
  oval 0.25x0.9 smd: 9(-1.75,-2.547) 16(1.75,-2.547) 25(1.75,2.453) 32(-1.75,2.453)
  oval 0.25x1.05 smd: 10(-1.25,-2.325) 11(-0.75,-2.325) 12(-0.25,-2.325) 13(0.25,-2.325) 14(0.75,-2.325) 15(1.25,-2.325) 26(1.25,2.325) 27(0.75,2.325) 28(0.25,2.325) 29(-0.25,2.325) 30(-0.75,2.325) 31(-1.25,2.325)
  rect 3.15x3.15 smd: 33(0,0)
  silkscreen extent -3.47,-2.7 2.7,2.7, body extent -2.6,-2.6 2.6,2.6, height 0.6
TL9210 [mm] "E-Switch Series Soft Tact Switch"
  rect 2x1.8 smd: 1(-3,0) 2(3,0)
  silkscreen extent -3.15,-3.2 2,3.2, body extent -3.4,-3 3.4,3, height 5
VAOL-S6SB4 [mm]
  rect 0.8x0.8 smd: 1(-0.75,0) 2(0.75,0)
  silkscreen extent -1.77,-0.81 0.82,0.8, body extent -1.25,-0.5 1.25,0.5, height 0.6